# Altium PCB PCB.PcbDoc (part 9 of 10)
Units mil, origin at the board's own origin, x right, y up, seen from the top; angles counter-clockwise.
Board outline 3945.89 x 2165.35 mil, 8 copper layers (Component Side, PWR, Signal 1, Signal 2, GND1, Signal 3, GND2, Solder Side), stack 68.504 mil thick; 329 components, 323 nets, 1378 pads, 692 vias.
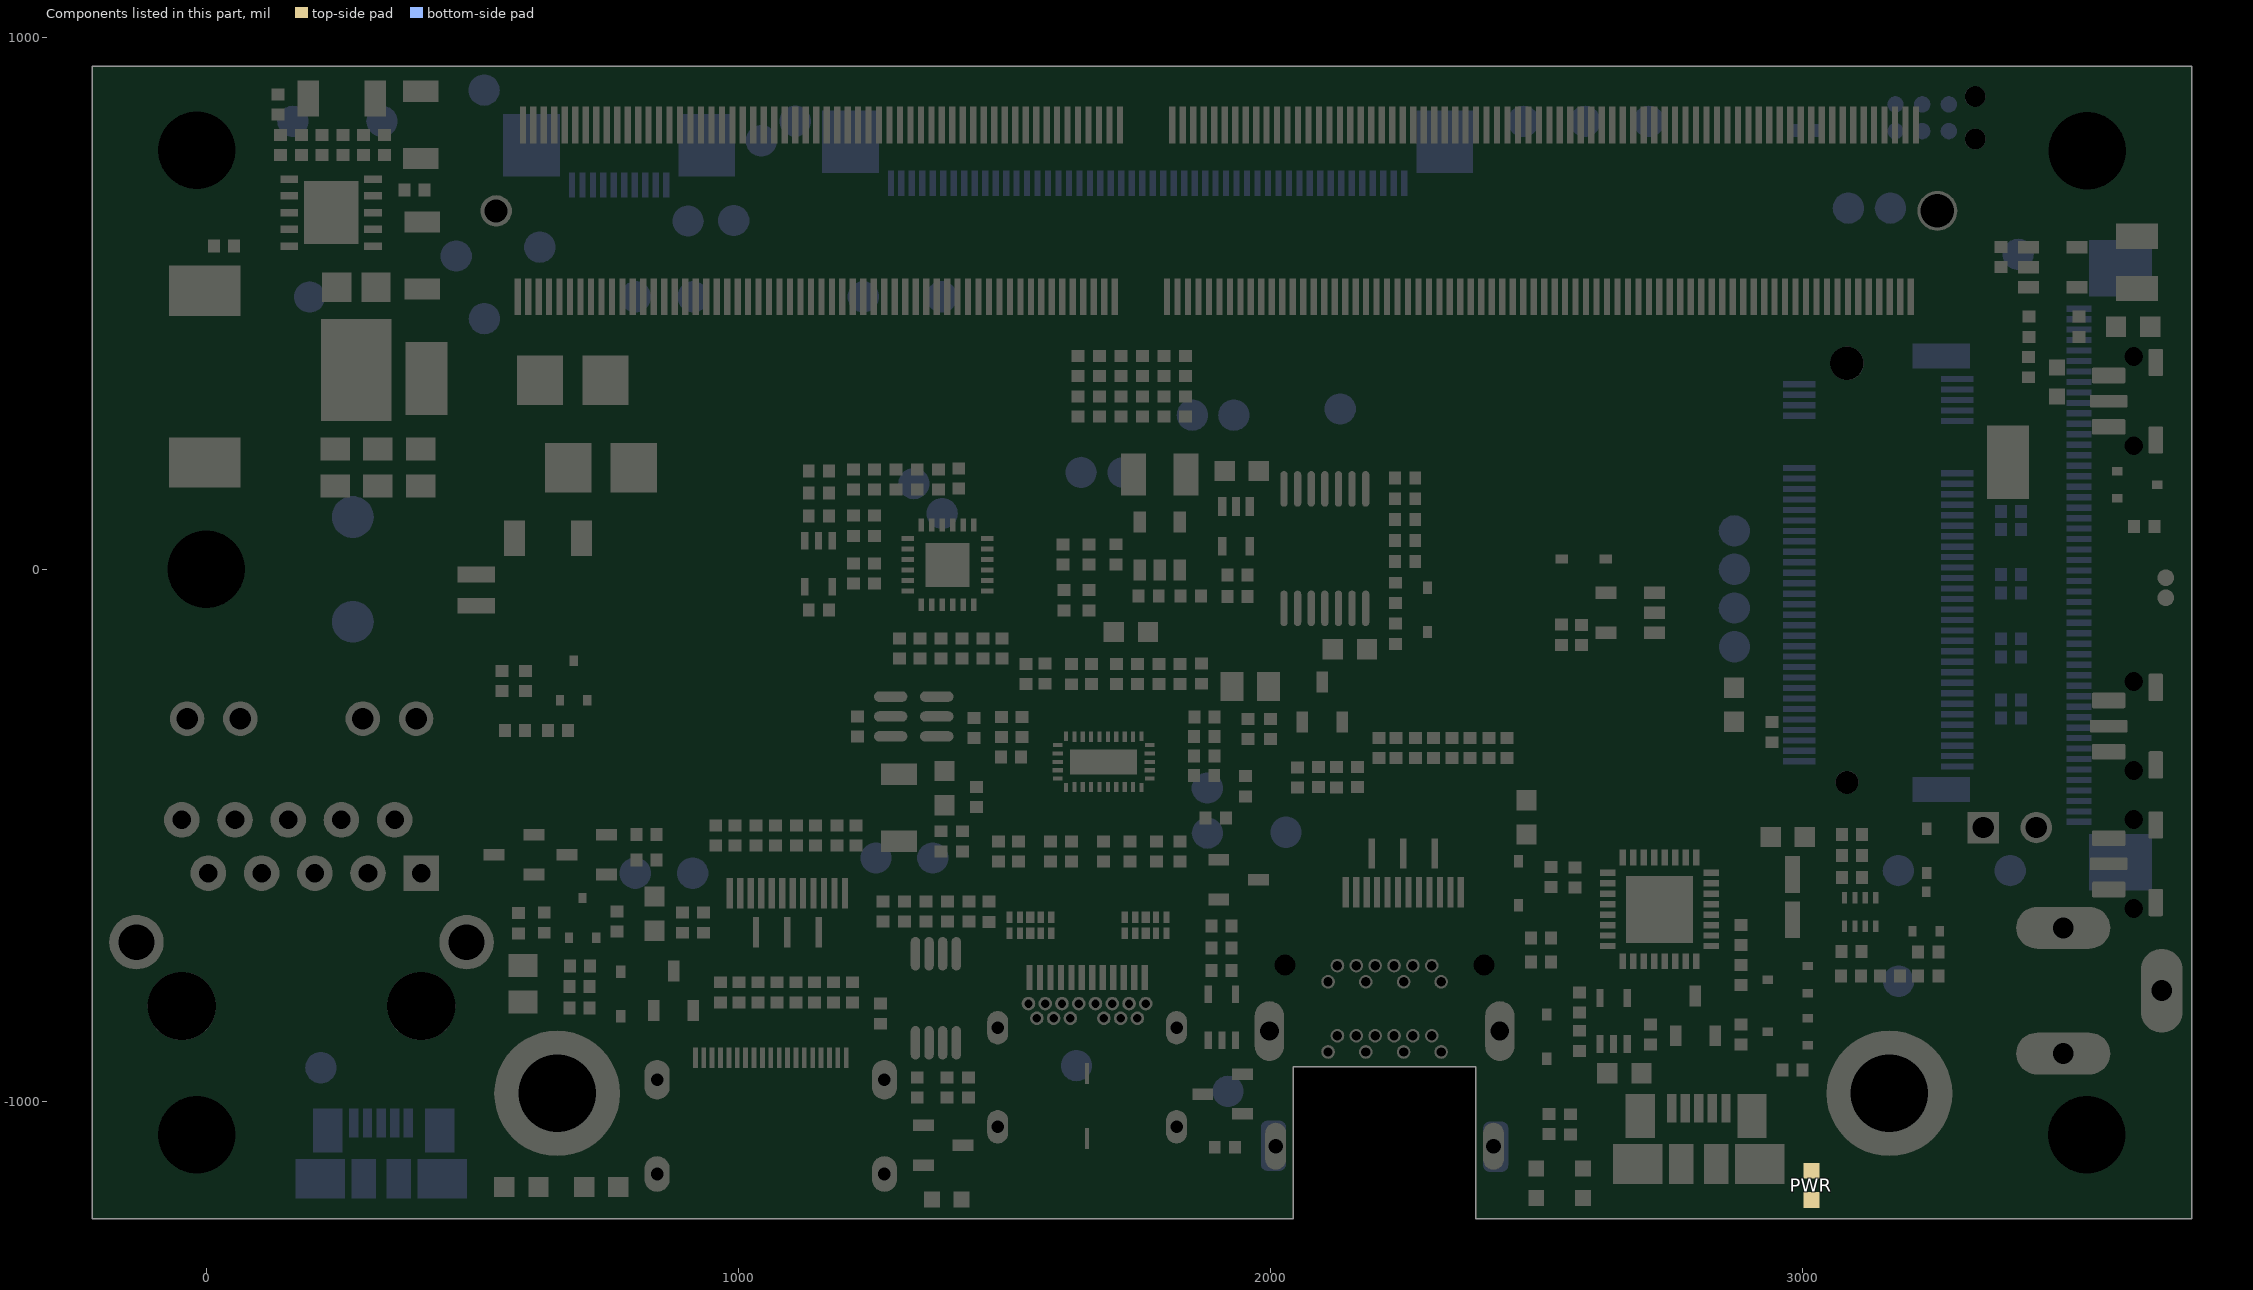
[diagram p15: the components of this part, seen from the top]

## Via types
v1: diameter 19.68, hole 5.91, Component Side to Solder Side, 599 vias
v2: diameter 23.62, hole 9.84, Component Side to Solder Side, 90 vias
v3: diameter 19.68, hole 7.87, Component Side to Solder Side, 3 vias

## Nets (pads, with @x,y where several pads share a name; then routed paths per layer and width w, separated by ;. In a path a pad name is that pad's centre, name@x,y a point inside that pad or via, vN(x,y) a via of type N, cw(c..) or ccw(c..) an arc to the next point about the centre after c; other vN are vias at no path point) (continued)
copper on no net: (continued)
  Solder Side w0.69: 583.82,76.58 606.49,76.58 ; 583.82,77.27 596.18,77.27 ; 583.82,77.96 592.75,77.96 ; 583.82,78.64 592.06,78.64 ; 583.82,79.33 592.06,79.33 ; 583.82,80.02 592.06,80.02 ; 583.82,80.7 592.75,80.7 ; 583.82,81.39 594.81,81.39 ; 583.82,82.08 598.93,82.08 ; 583.82,82.76 601.68,82.76 ; 583.82,83.45 603.74,83.45 ; 584.5,75.21 606.49,75.21 ; 584.5,75.89 606.49,75.89 ; 584.5,84.14 604.43,84.14 ; 585.19,74.52 606.49,74.52 ; 585.19,84.83 605.8,84.83 ; 585.19,85.51 605.8,85.51 ; 585.19,90.32 585.88,90.32 ; 585.19,91.01 587.94,91.01 ; 585.19,91.7 590,91.7 ; 585.19,92.38 594.81,92.38 ; 585.19,93.07 606.49,93.07 ; 585.19,93.76 606.49,93.76 ; 585.19,94.44 606.49,94.44 ; 585.19,95.13 605.8,95.13 ; 585.19,95.82 605.12,95.82 ; 585.19,96.51 604.43,96.51 ; 585.88,73.83 606.49,73.83 ; 585.88,97.19 603.05,97.19 ; 586.57,73.15 606.49,73.15 ; 586.57,86.2 606.49,86.2 ; 587.94,72.46 605.8,72.46 ; 587.94,86.89 606.49,86.89 ; 589.31,97.88 600.99,97.88 ; 590,71.77 602.37,71.77 ; 590,87.57 607.18,87.57 ; 594.12,88.26 607.18,88.26 ; 595.5,92.38 607.18,92.38 ; 596.87,77.27 606.49,77.27 ; 597.56,88.95 607.18,88.95 ; 598.24,91.7 607.18,91.7 ; 598.93,89.63 607.18,89.63 ; 598.93,91.01 607.18,91.01 ; 599.62,90.32 607.18,90.32 ; 601.68,77.96 606.49,77.96 ; 603.74,78.64 606.49,78.64 ; 605.8,79.33 606.49,79.33 ; 609.92,91.7 631.22,91.7 ; 609.92,92.38 631.22,92.38 ; 609.92,93.07 631.22,93.07 ; 609.92,93.76 631.22,93.76 ; 609.92,94.44 631.22,94.44 ; 609.92,95.13 631.22,95.13 ; 609.92,95.82 631.22,95.82 ; 609.92,96.51 631.22,96.51 ; 609.92,97.19 631.22,97.19 ; 610.61,72.46 622.98,72.46 ; 610.61,73.15 624.35,73.15 ; 610.61,73.83 625.04,73.83 ; 610.61,74.52 625.73,74.52 ; 610.61,75.21 626.41,75.21 ; 610.61,75.89 626.41,75.89 ; 610.61,76.58 626.41,76.58 ; 610.61,77.27 627.1,77.27 ; 610.61,77.96 627.1,77.96 ; 617.48,78.64 627.1,78.64 ; 618.17,79.33 627.1,79.33 ; 618.17,80.02 627.1,80.02 ; 618.17,80.7 627.1,80.7 ; 618.17,81.39 627.1,81.39 ; 618.17,82.08 627.1,82.08 ; 618.17,82.76 627.1,82.76 ; 618.17,83.45 627.1,83.45 ; 618.17,84.14 627.1,84.14 ; 618.17,84.83 627.1,84.83 ; 618.17,85.51 627.1,85.51 ; 618.17,86.2 627.1,86.2 ; 618.17,86.89 627.1,86.89 ; 618.17,87.57 627.1,87.57 ; 618.17,88.26 627.1,88.26 ; 618.17,88.95 627.1,88.95 ; 618.17,89.63 627.1,89.63 ; 618.17,90.32 627.1,90.32 ; 618.17,91.01 627.1,91.01 ; 618.17,97.88 627.1,97.88 ; 618.17,98.57 627.1,98.57 ; 618.17,99.25 627.1,99.25 ; 618.17,99.94 627.1,99.94 ; 618.17,100.63 627.1,100.63 ; 618.17,101.31 627.1,101.31 ; 618.17,102 627.1,102 ; 618.17,102.69 627.1,102.69 ; 618.17,103.38 627.1,103.38 ; 618.17,104.06 627.1,104.06 ; 618.17,104.75 627.1,104.75 ; 634.66,72.46 643.59,72.46 ; 634.66,73.15 643.59,73.15 ; 634.66,73.83 643.59,73.83 ; 634.66,74.52 643.59,74.52 ; 634.66,75.21 643.59,75.21 ; 634.66,75.89 643.59,75.89 ; 634.66,76.58 643.59,76.58 ; 634.66,77.27 643.59,77.27 ; 634.66,77.96 643.59,77.96 ; 634.66,78.64 643.59,78.64 ; 634.66,79.33 643.59,79.33 ; 634.66,80.02 643.59,80.02 ; 634.66,80.7 643.59,80.7 ; 634.66,81.39 643.59,81.39 ; 634.66,82.08 643.59,82.08 ; 634.66,82.76 643.59,82.76 ; 634.66,83.45 643.59,83.45 ; 634.66,84.14 643.59,84.14 ; 634.66,84.83 643.59,84.83 ; 634.66,85.51 643.59,85.51 ; 634.66,86.2 643.59,86.2 ; 634.66,86.89 643.59,86.89 ; 634.66,87.57 643.59,87.57 ; 634.66,88.26 643.59,88.26 ; 634.66,88.95 644.28,88.95 ; 634.66,89.63 644.28,89.63 ; 634.66,90.32 644.28,90.32 ; 635.34,91.01 644.96,91.01 ; 635.34,91.7 660.77,91.7 ; 635.34,92.38 660.77,92.38 ; 635.34,93.07 660.77,93.07 ; 636.03,93.76 660.77,93.76 ; 636.03,94.44 660.77,94.44 ; 636.72,95.13 651.83,95.13 ; 637.41,95.82 651.15,95.82 ; 638.09,96.51 650.46,96.51 ; 638.78,97.19 649.09,97.19 ; 640.15,97.88 647.71,97.88 ; 649.09,91.01 660.77,91.01 ; 650.46,90.32 660.77,90.32 ; 651.15,88.95 660.77,88.95 ; 651.15,89.63 660.77,89.63 ; 651.83,86.2 660.77,86.2 ; 651.83,86.89 660.77,86.89 ; 651.83,87.57 660.77,87.57 ; 651.83,88.26 660.77,88.26 ; 652.52,72.46 660.77,72.46 ; 652.52,73.15 660.77,73.15 ; 652.52,73.83 660.77,73.83 ; 652.52,74.52 660.77,74.52 ; 652.52,75.21 660.77,75.21 ; 652.52,75.89 660.77,75.89 ; 652.52,76.58 660.77,76.58 ; 652.52,77.27 660.77,77.27 ; 652.52,77.96 660.77,77.96 ; 652.52,78.64 660.77,78.64 ; 652.52,79.33 660.77,79.33 ; 652.52,80.02 660.77,80.02 ; 652.52,80.7 660.77,80.7 ; 652.52,81.39 660.77,81.39 ; 652.52,82.08 660.77,82.08 ; 652.52,82.76 660.77,82.76 ; 652.52,83.45 660.77,83.45 ; 652.52,84.14 660.77,84.14 ; 652.52,84.83 660.77,84.83 ; 652.52,85.51 660.77,85.51 ; 652.52,95.13 660.77,95.13 ; 652.52,95.82 660.77,95.82 ; 652.52,96.51 660.77,96.51 ; 652.52,97.19 660.77,97.19 ; 666.26,82.76 694.43,82.76 ; 666.26,83.45 694.43,83.45 ; 666.26,84.14 694.43,84.14 ; 666.26,84.83 694.43,84.83 ; 666.26,85.51 694.43,85.51 ; 666.26,86.2 694.43,86.2 ; 666.95,86.89 694.43,86.89 ; 666.95,87.57 694.43,87.57 ; 666.95,88.26 675.88,88.26 ; 666.95,88.95 675.88,88.95 ; 666.95,89.63 675.88,89.63 ; 667.64,73.83 689.62,73.83 ; 667.64,74.52 690.31,74.52 ; 667.64,75.21 690.99,75.21 ; 667.64,75.89 691.68,75.89 ; 667.64,76.58 692.37,76.58 ; 667.64,77.27 678.63,77.27 ; 667.64,77.96 673.82,77.96 ; 667.64,78.64 671.76,78.64 ; 667.64,79.33 670.38,79.33 ; 667.64,80.02 669.01,80.02 ; 667.64,90.32 676.57,90.32 ; 667.64,91.01 676.57,91.01 ; 667.64,91.7 677.94,91.7 ; 668.32,73.15 688.25,73.15 ; 668.32,92.38 680,92.38 ; 669.01,93.07 692.37,93.07 ; 669.01,93.76 691.68,93.76 ; 669.7,94.44 690.99,94.44 ; 670.38,72.46 686.87,72.46 ; 670.38,95.13 690.31,95.13 ; 671.07,95.82 689.62,95.82 ; 672.45,96.51 688.25,96.51 ; 673.13,71.77 684.81,71.77 ; 673.82,97.19 686.87,97.19 ; 675.19,97.88 685.5,97.88 ; 679.32,77.27 693.06,77.27 ; 680.69,92.38 692.37,92.38 ; 682.06,77.96 693.06,77.96 ; 682.75,91.7 693.06,91.7 ; 683.44,78.64 693.06,78.64 ; 683.44,91.01 693.06,91.01 ; 684.12,79.33 693.74,79.33 ; 684.12,90.32 693.74,90.32 ; 684.81,80.02 693.74,80.02 ; 684.81,80.7 693.74,80.7 ; 684.81,88.95 693.74,88.95 ; 684.81,89.63 693.74,89.63 ; 685.5,81.39 694.43,81.39 ; 685.5,82.08 694.43,82.08 ; 685.5,88.26 694.43,88.26 ; 699.24,72.46 708.17,72.46 ; 699.24,73.15 708.17,73.15 ; 699.24,73.83 708.17,73.83 ; 699.24,74.52 708.17,74.52 ; 699.24,75.21 708.17,75.21 ; 699.24,75.89 708.17,75.89 ; 699.24,76.58 708.17,76.58 ; 699.24,77.27 708.17,77.27 ; 699.24,77.96 708.17,77.96 ; 699.24,78.64 708.17,78.64 ; 699.24,79.33 708.17,79.33 ; 699.24,80.02 708.17,80.02 ; 699.24,80.7 708.17,80.7 ; 699.24,81.39 708.17,81.39 ; 699.24,82.08 708.17,82.08 ; 699.24,82.76 708.17,82.76 ; 699.24,83.45 708.17,83.45 ; 699.24,84.14 708.17,84.14 ; 699.24,84.83 708.17,84.83 ; 699.24,85.51 708.17,85.51 ; 699.24,86.2 708.17,86.2 ; 699.24,86.89 708.17,86.89 ; 699.24,87.57 708.17,87.57 ; 699.24,88.26 708.17,88.26 ; 699.24,88.95 708.86,88.95 ; 699.24,89.63 708.86,89.63 ; 699.93,90.32 708.86,90.32 ; 699.93,91.01 710.23,91.01 ; 699.93,91.7 726.03,91.7 ; 699.93,92.38 726.03,92.38 ; 699.93,184.45 727.41,184.45 ; 699.93,185.13 728.1,185.13 ; 699.93,185.82 728.1,185.82 ; 699.93,186.51 728.1,186.51 ; 699.93,187.19 728.1,187.19 ; 699.93,187.88 728.1,187.88 ; 699.93,188.57 728.1,188.57 ; 699.93,189.26 727.41,189.26 ; 699.93,189.94 727.41,189.94 ; 699.93,190.63 708.86,190.63 ; 700.61,93.07 726.03,93.07 ; 700.61,93.76 726.03,93.76 ; 700.61,94.44 726.03,94.44 ; 700.61,191.32 709.55,191.32 ; 700.61,192 709.55,192 ; 700.61,192.69 710.23,192.69 ; 701.3,95.13 716.42,95.13 ; 701.3,175.51 722.6,175.51 ; 701.3,176.2 723.29,176.2 ; 701.3,176.89 723.97,176.89 ; 701.3,177.58 724.66,177.58 ; 701.3,178.26 725.35,178.26 ; 701.3,178.95 726.03,178.95 ; 701.3,179.64 709.55,179.64 ; 701.3,180.32 706.8,180.32 ; 701.3,181.01 704.74,181.01 ; 701.3,181.7 703.36,181.7 ; 701.3,193.38 710.92,193.38 ; 701.3,194.06 711.61,194.06 ; 701.99,95.82 715.73,95.82 ; 701.99,194.75 726.03,194.75 ; 701.99,195.44 725.35,195.44 ; 702.67,96.51 715.04,96.51 ; 702.67,196.13 724.66,196.13 ; 703.36,97.19 713.67,97.19 ; 703.36,174.83 721.22,174.83 ; 703.36,196.81 723.97,196.81 ; 704.05,197.5 723.29,197.5 ; 704.74,97.88 712.29,97.88 ; 704.74,198.19 722.6,198.19 ; 705.42,174.14 719.16,174.14 ; 706.11,198.87 721.22,198.87 ; 707.48,199.56 719.85,199.56 ; 709.55,173.45 716.42,173.45 ; 709.55,200.25 717.1,200.25 ; 714.35,91.01 726.03,91.01 ; 714.35,179.64 726.03,179.64 ; 715.04,90.32 726.03,90.32 ; 715.73,88.95 726.03,88.95 ; 715.73,89.63 726.03,89.63 ; 715.73,194.06 726.03,194.06 ; 716.42,86.89 726.03,86.89 ; 716.42,87.57 726.03,87.57 ; 716.42,88.26 726.03,88.26 ; 716.42,180.32 726.72,180.32 ; 716.42,193.38 726.72,193.38 ; 717.1,72.46 726.03,72.46 ; 717.1,73.15 726.03,73.15 ; 717.1,73.83 726.03,73.83 ; 717.1,74.52 726.03,74.52 ; 717.1,75.21 726.03,75.21 ; 717.1,75.89 726.03,75.89 ; 717.1,76.58 726.03,76.58 ; 717.1,77.27 726.03,77.27 ; 717.1,77.96 726.03,77.96 ; 717.1,78.64 726.03,78.64 ; 717.1,79.33 726.03,79.33 ; 717.1,80.02 726.03,80.02 ; 717.1,80.7 726.03,80.7 ; 717.1,81.39 726.03,81.39 ; 717.1,82.08 726.03,82.08 ; 717.1,82.76 726.03,82.76 ; 717.1,83.45 726.03,83.45 ; 717.1,84.14 726.03,84.14 ; 717.1,84.83 726.03,84.83 ; 717.1,85.51 726.03,85.51 ; 717.1,86.2 726.03,86.2 ; 717.1,95.13 726.03,95.13 ; 717.1,95.82 726.03,95.82 ; 717.1,96.51 726.03,96.51 ; 717.1,97.19 726.03,97.19 ; 717.1,181.01 726.72,181.01 ; 717.79,181.7 727.41,181.7 ; 717.79,192 727.41,192 ; 717.79,192.69 726.72,192.69 ; 718.48,182.39 727.41,182.39 ; 718.48,183.07 727.41,183.07 ; 718.48,183.76 727.41,183.76 ; 718.48,190.63 727.41,190.63 ; 718.48,191.32 727.41,191.32 ; 730.84,82.08 740.46,82.08 ; 730.84,82.76 740.46,82.76 ; 730.84,83.45 740.46,83.45 ; 730.84,84.14 740.46,84.14 ; 730.84,84.83 739.77,84.83 ; 730.84,85.51 740.46,85.51 ; 730.84,86.2 740.46,86.2 ; 730.84,86.89 740.46,86.89 ; 730.84,87.57 740.46,87.57 ; 731.53,79.33 741.84,79.33 ; 731.53,80.02 741.15,80.02 ; 731.53,80.7 741.15,80.7 ; 731.53,81.39 740.46,81.39 ; 731.53,88.26 740.46,88.26 ; 731.53,88.95 741.15,88.95 ; 731.53,89.63 741.15,89.63 ; 731.53,90.32 741.84,90.32 ; 732.22,77.96 743.9,77.96 ; 732.22,78.64 742.52,78.64 ; 732.22,91.01 742.52,91.01 ; 732.22,91.7 743.9,91.7 ; 732.9,76.58 757.64,76.58 ; 732.9,77.27 757.64,77.27 ; 732.9,92.38 757.64,92.38 ; 732.9,93.07 757.64,93.07 ; 732.9,174.14 741.84,174.14 ; 732.9,174.83 741.84,174.83 ; 732.9,175.51 741.84,175.51 ; 732.9,176.2 741.84,176.2 ; 732.9,176.89 741.84,176.89 ; 732.9,177.58 741.84,177.58 ; 732.9,178.26 741.84,178.26 ; 732.9,178.95 741.84,178.95 ; 732.9,179.64 741.84,179.64 ; 732.9,180.32 741.84,180.32 ; 732.9,181.01 741.84,181.01 ; 732.9,181.7 741.84,181.7 ; 732.9,182.39 741.84,182.39 ; 732.9,183.07 741.84,183.07 ; 732.9,183.76 741.84,183.76 ; 732.9,184.45 741.84,184.45 ; 732.9,185.13 741.84,185.13 ; 732.9,185.82 741.84,185.82 ; 732.9,186.51 741.84,186.51 ; 732.9,187.19 741.84,187.19 ; 732.9,187.88 741.84,187.88 ; 732.9,188.57 741.84,188.57 ; 732.9,189.26 741.84,189.26 ; 732.9,189.94 741.84,189.94 ; 732.9,190.63 741.84,190.63 ; 732.9,191.32 741.84,191.32 ; 732.9,192 741.84,192 ; 732.9,192.69 741.84,192.69 ; 732.9,193.38 741.84,193.38 ; 732.9,194.06 741.84,194.06 ; 732.9,194.75 741.84,194.75 ; 732.9,195.44 741.84,195.44 ; 732.9,196.13 741.84,196.13 ; 732.9,196.81 741.84,196.81 ; 732.9,197.5 741.84,197.5 ; 732.9,198.19 741.84,198.19 ; 732.9,198.87 741.84,198.87 ; 732.9,199.56 741.84,199.56 ; 732.9,200.25 741.84,200.25 ; 732.9,200.94 741.84,200.94 ; 732.9,201.62 741.84,201.62 ; 732.9,202.31 741.84,202.31 ; 732.9,203 741.84,203 ; 732.9,203.68 741.84,203.68 ; 732.9,204.37 741.84,204.37 ; 732.9,205.06 741.84,205.06 ; 732.9,205.74 741.84,205.74 ; 732.9,206.43 741.84,206.43 ; 732.9,207.12 741.84,207.12 ; 732.9,207.81 741.84,207.81 ; 732.9,208.49 741.84,208.49 ; 732.9,209.18 741.84,209.18 ; 733.59,75.89 756.95,75.89 ; 733.59,93.76 756.95,93.76 ; 734.28,75.21 756.26,75.21 ; 734.28,94.44 756.26,94.44 ; 734.97,74.52 755.58,74.52 ; 734.97,95.13 755.58,95.13 ; 735.65,73.83 754.89,73.83 ; 735.65,95.82 754.89,95.82 ; 737.03,73.15 753.52,73.15 ; 737.03,96.51 753.52,96.51 ; 737.71,72.46 752.14,72.46 ; 738.4,97.19 752.14,97.19 ; 739.77,71.77 750.08,71.77 ; 739.77,97.88 750.08,97.88 ; 746.65,77.96 758.32,77.96 ; 746.65,91.7 758.32,91.7 ; 747.33,183.07 756.95,183.07 ; 747.33,183.76 756.95,183.76 ; 747.33,184.45 756.95,184.45 ; 747.33,185.13 756.26,185.13 ; 747.33,185.82 756.26,185.82 ; 747.33,186.51 756.26,186.51 ; 747.33,187.19 756.26,187.19 ; 747.33,187.88 756.26,187.88 ; 747.33,188.57 756.26,188.57 ; 747.33,189.26 756.26,189.26 ; 747.33,189.94 756.95,189.94 ; 747.33,190.63 756.95,190.63 ; 748.02,78.64 758.32,78.64 ; 748.02,91.01 758.32,91.01 ; 748.02,181.01 758.32,181.01 ; 748.02,181.7 757.64,181.7 ; 748.02,182.39 757.64,182.39 ; 748.02,191.32 756.95,191.32 ; 748.02,192 757.64,192 ; 748.02,192.69 758.32,192.69 ; 748.02,193.38 759.01,193.38 ; 748.71,79.33 759.01,79.33 ; 748.71,90.32 759.01,90.32 ; 748.71,178.95 775.5,178.95 ; 748.71,179.64 775.5,179.64 ; 748.71,180.32 759.7,180.32 ; 748.71,194.06 775.5,194.06 ; 748.71,194.75 775.5,194.75 ; 749.39,80.02 759.01,80.02 ; 749.39,80.7 759.01,80.7 ; 749.39,88.95 759.01,88.95 ; 749.39,89.63 759.01,89.63 ; 749.39,178.26 775.5,178.26 ; 749.39,195.44 775.5,195.44 ; 750.08,81.39 759.01,81.39 ; 750.08,82.08 759.7,82.08 ; 750.08,82.76 759.7,82.76 ; 750.08,83.45 759.7,83.45 ; 750.08,84.14 759.7,84.14 ; 750.08,84.83 759.7,84.83 ; 750.08,85.51 759.7,85.51 ; 750.08,86.2 759.7,86.2 ; 750.08,86.89 759.7,86.89 ; 750.08,87.57 759.7,87.57 ; 750.08,88.26 759.01,88.26 ; 750.08,177.58 775.5,177.58 ; 750.08,196.13 775.5,196.13 ; 750.08,196.81 775.5,196.81 ; 750.77,176.2 765.88,176.2 ; 750.77,176.89 775.5,176.89 ; 750.77,197.5 765.88,197.5 ; 751.45,175.51 765.2,175.51 ; 751.45,198.19 765.2,198.19 ; 752.83,174.83 764.51,174.83 ; 752.83,198.87 764.51,198.87 ; 753.52,199.56 763.13,199.56 ; 754.2,174.14 763.13,174.14 ; 754.89,142.54 775.5,142.54 ; 754.89,143.22 775.5,143.22 ; 754.89,143.91 775.5,143.91 ; 754.89,144.6 775.5,144.6 ; 754.89,145.29 775.5,145.29 ; 754.89,145.97 775.5,145.97 ; 754.89,146.66 775.5,146.66 ; 754.89,147.35 775.5,147.35 ; 754.89,148.03 775.5,148.03 ; 754.89,148.72 775.5,148.72 ; 755.58,123.3 766.57,123.3 ; 755.58,123.99 768.63,123.99 ; 755.58,124.67 769.32,124.67 ; 755.58,125.36 770,125.36 ; 755.58,126.05 770.69,126.05 ; 755.58,126.74 770.69,126.74 ; 755.58,127.42 771.38,127.42 ; 755.58,128.11 771.38,128.11 ; 755.58,128.8 771.38,128.8 ; 755.58,200.25 761.07,200.25 ; 756.26,173.45 760.39,173.45 ; 761.07,129.48 771.38,129.48 ; 762.45,130.17 771.38,130.17 ; 763.13,80.7 772.75,80.7 ; 763.13,81.39 772.75,81.39 ; 763.13,82.08 772.07,82.08 ; 763.13,82.76 772.07,82.76 ; 763.13,83.45 772.07,83.45 ; 763.13,84.14 772.07,84.14 ; 763.13,84.83 772.07,84.83 ; 763.13,85.51 772.07,85.51 ; 763.13,86.2 772.07,86.2 ; 763.13,86.89 772.07,86.89 ; 763.13,87.57 772.07,87.57 ; 763.13,88.26 772.75,88.26 ; 763.13,88.95 772.75,88.95 ; 763.13,130.86 771.38,130.86 ; 763.13,131.54 772.07,131.54 ; 763.13,132.23 772.07,132.23 ; 763.13,132.92 772.07,132.92 ; 763.13,133.61 772.07,133.61 ; 763.13,134.29 772.07,134.29 ; 763.13,134.98 772.07,134.98 ; 763.13,135.67 772.07,135.67 ; 763.13,136.35 772.07,136.35 ; 763.13,137.04 772.07,137.04 ; 763.13,137.73 772.07,137.73 ; 763.13,138.41 772.07,138.41 ; 763.13,139.1 772.07,139.1 ; 763.13,139.79 772.07,139.79 ; 763.13,140.48 772.07,140.48 ; 763.13,141.16 772.07,141.16 ; 763.13,141.85 772.07,141.85 ; 763.13,149.41 772.07,149.41 ; 763.13,150.09 772.07,150.09 ; 763.13,150.78 772.07,150.78 ; 763.13,151.47 772.07,151.47 ; 763.13,152.16 772.07,152.16 ; 763.13,152.84 772.07,152.84 ; 763.13,153.53 772.07,153.53 ; 763.13,154.22 772.07,154.22 ; 763.13,154.9 772.07,154.9 ; 763.13,155.59 772.07,155.59 ; 763.13,180.32 775.5,180.32 ; 763.82,78.64 774.13,78.64 ; 763.82,79.33 773.44,79.33 ; 763.82,80.02 773.44,80.02 ; 763.82,89.63 773.44,89.63 ; 763.82,90.32 773.44,90.32 ; 763.82,91.01 774.13,91.01 ; 763.82,193.38 775.5,193.38 ; 764.51,77.27 790.62,77.27 ; 764.51,77.96 775.5,77.96 ; 764.51,91.7 775.5,91.7 ; 764.51,92.38 790.62,92.38 ; 764.51,181.01 775.5,181.01 ; 764.51,192.69 775.5,192.69 ; 765.2,75.89 790.62,75.89 ; 765.2,76.58 790.62,76.58 ; 765.2,93.07 790.62,93.07 ; 765.2,93.76 790.62,93.76 ; 765.2,181.7 775.5,181.7 ; 765.2,182.39 775.5,182.39 ; 765.2,191.32 775.5,191.32 ; 765.2,192 775.5,192 ; 765.88,75.21 790.62,75.21 ; 765.88,94.44 790.62,94.44 ; 765.88,183.07 775.5,183.07 ; 765.88,183.76 775.5,183.76 ; 765.88,184.45 775.5,184.45 ; 765.88,189.26 775.5,189.26 ; 765.88,189.94 775.5,189.94 ; 765.88,190.63 775.5,190.63 ; 766.57,74.52 781.68,74.52 ; 766.57,95.13 781.68,95.13 ; 766.57,174.14 775.5,174.14 ; 766.57,174.83 775.5,174.83 ; 766.57,175.51 775.5,175.51 ; 766.57,176.2 775.5,176.2 ; 766.57,185.13 775.5,185.13 ; 766.57,185.82 775.5,185.82 ; 766.57,186.51 775.5,186.51 ; 766.57,187.19 775.5,187.19 ; 766.57,187.88 775.5,187.88 ; 766.57,188.57 775.5,188.57 ; 766.57,197.5 775.5,197.5 ; 766.57,198.19 775.5,198.19 ; 766.57,198.87 775.5,198.87 ; 766.57,199.56 775.5,199.56 ; 766.57,200.25 775.5,200.25 ; 766.57,200.94 775.5,200.94 ; 766.57,201.62 775.5,201.62 ; 766.57,202.31 775.5,202.31 ; 766.57,203 775.5,203 ; 766.57,203.68 775.5,203.68 ; 766.57,204.37 775.5,204.37 ; 766.57,205.06 775.5,205.06 ; 766.57,205.74 775.5,205.74 ; 766.57,206.43 775.5,206.43 ; 766.57,207.12 775.5,207.12 ; 766.57,207.81 775.5,207.81 ; 766.57,208.49 775.5,208.49 ; 766.57,209.18 775.5,209.18 ; 767.26,73.83 781,73.83 ; 767.26,95.82 781,95.82 ; 767.94,73.15 780.31,73.15 ; 767.94,96.51 780.31,96.51 ; 768.63,72.46 779.62,72.46 ; 768.63,97.19 779.62,97.19 ; 770,71.77 778.25,71.77 ; 770,97.88 778.25,97.88 ; 777.56,133.61 787.18,133.61 ; 777.56,134.29 787.18,134.29 ; 777.56,134.98 787.18,134.98 ; 777.56,135.67 787.18,135.67 ; 777.56,136.35 787.18,136.35 ; 777.56,137.04 787.18,137.04 ; 777.56,137.73 787.18,137.73 ; 778.25,77.96 790.62,77.96 ; 778.25,91.7 790.62,91.7 ; 778.25,130.86 787.87,130.86 ; 778.25,131.54 787.87,131.54 ; 778.25,132.23 787.18,132.23 ; 778.25,132.92 787.18,132.92 ; 778.25,138.41 787.18,138.41 ; 778.25,139.1 787.18,139.1 ; 778.25,139.79 787.87,139.79 ; 778.25,140.48 787.87,140.48 ; 778.25,141.16 788.55,141.16 ; 778.94,128.8 791.3,128.8 ; 778.94,129.48 789.24,129.48 ; 778.94,130.17 788.55,130.17 ; 778.94,141.85 789.24,141.85 ; 778.94,142.54 789.93,142.54 ; 779.62,78.64 790.62,78.64 ; 779.62,91.01 790.62,91.01 ; 779.62,128.11 804.36,128.11 ; 779.62,143.22 805.04,143.22 ; 779.62,143.91 804.36,143.91 ; 780.31,79.33 790.62,79.33 ; 780.31,90.32 790.62,90.32 ; 780.31,126.74 803.67,126.74 ; 780.31,127.42 804.36,127.42 ; 780.31,144.6 803.67,144.6 ; 781,80.02 790.62,80.02 ; 781,89.63 790.62,89.63 ; 781,126.05 802.98,126.05 ; 781,145.29 802.98,145.29 ; 781.68,80.7 790.62,80.7 ; 781.68,81.39 790.62,81.39 ; 781.68,82.08 790.62,82.08 ; 781.68,82.76 790.62,82.76 ; 781.68,86.89 790.62,86.89 ; 781.68,87.57 790.62,87.57 ; 781.68,88.26 790.62,88.26 ; 781.68,88.95 790.62,88.95 ; 781.68,125.36 802.3,125.36 ; 781.68,145.97 802.98,145.97 ; 782.37,62.84 790.62,62.84 ; 782.37,63.53 790.62,63.53 ; 782.37,64.21 790.62,64.21 ; 782.37,64.9 790.62,64.9 ; 782.37,65.59 790.62,65.59 ; 782.37,66.28 790.62,66.28 ; 782.37,66.96 790.62,66.96 ; 782.37,67.65 790.62,67.65 ; 782.37,68.34 790.62,68.34 ; 782.37,69.02 790.62,69.02 ; 782.37,69.71 790.62,69.71 ; 782.37,70.4 790.62,70.4 ; 782.37,71.08 790.62,71.08 ; 782.37,71.77 790.62,71.77 ; 782.37,72.46 790.62,72.46 ; 782.37,73.15 790.62,73.15 ; 782.37,73.83 790.62,73.83 ; 782.37,74.52 790.62,74.52 ; 782.37,83.45 790.62,83.45 ; 782.37,84.14 790.62,84.14 ; 782.37,84.83 790.62,84.83 ; 782.37,85.51 790.62,85.51 ; 782.37,86.2 790.62,86.2 ; 782.37,95.13 790.62,95.13 ; 782.37,95.82 790.62,95.82 ; 782.37,96.51 790.62,96.51 ; 782.37,97.19 790.62,97.19 ; 782.37,146.66 801.61,146.66 ; 782.37,174.14 791.3,174.14 ; 782.37,174.83 791.3,174.83 ; 782.37,175.51 791.3,175.51 ; 782.37,176.2 806.42,176.2 ; 782.37,176.89 807.1,176.89 ; 782.37,177.58 807.79,177.58 ; 782.37,178.26 807.79,178.26 ; 782.37,178.95 807.79,178.95 ; 782.37,179.64 794.74,179.64 ; 782.37,180.32 793.36,180.32 ; 782.37,181.01 792.68,181.01 ; 782.37,181.7 791.99,181.7 ; 782.37,182.39 791.3,182.39 ; 782.37,183.07 791.3,183.07 ; 782.37,183.76 791.3,183.76 ; 782.37,184.45 791.3,184.45 ; 782.37,185.13 791.3,185.13 ; 782.37,185.82 